# Altium PCB ETH_CAN.PcbDoc (part 2 of 2)
Units mm, origin at the board's own origin, x right, y up, seen from the top; angles counter-clockwise.
Board outline 86 x 80 mm, 2 copper layers (Top Layer, Bottom Layer); 172 components, 128 nets, 655 pads, 126 vias.
Unrouted connection lines stored in the file: 10.
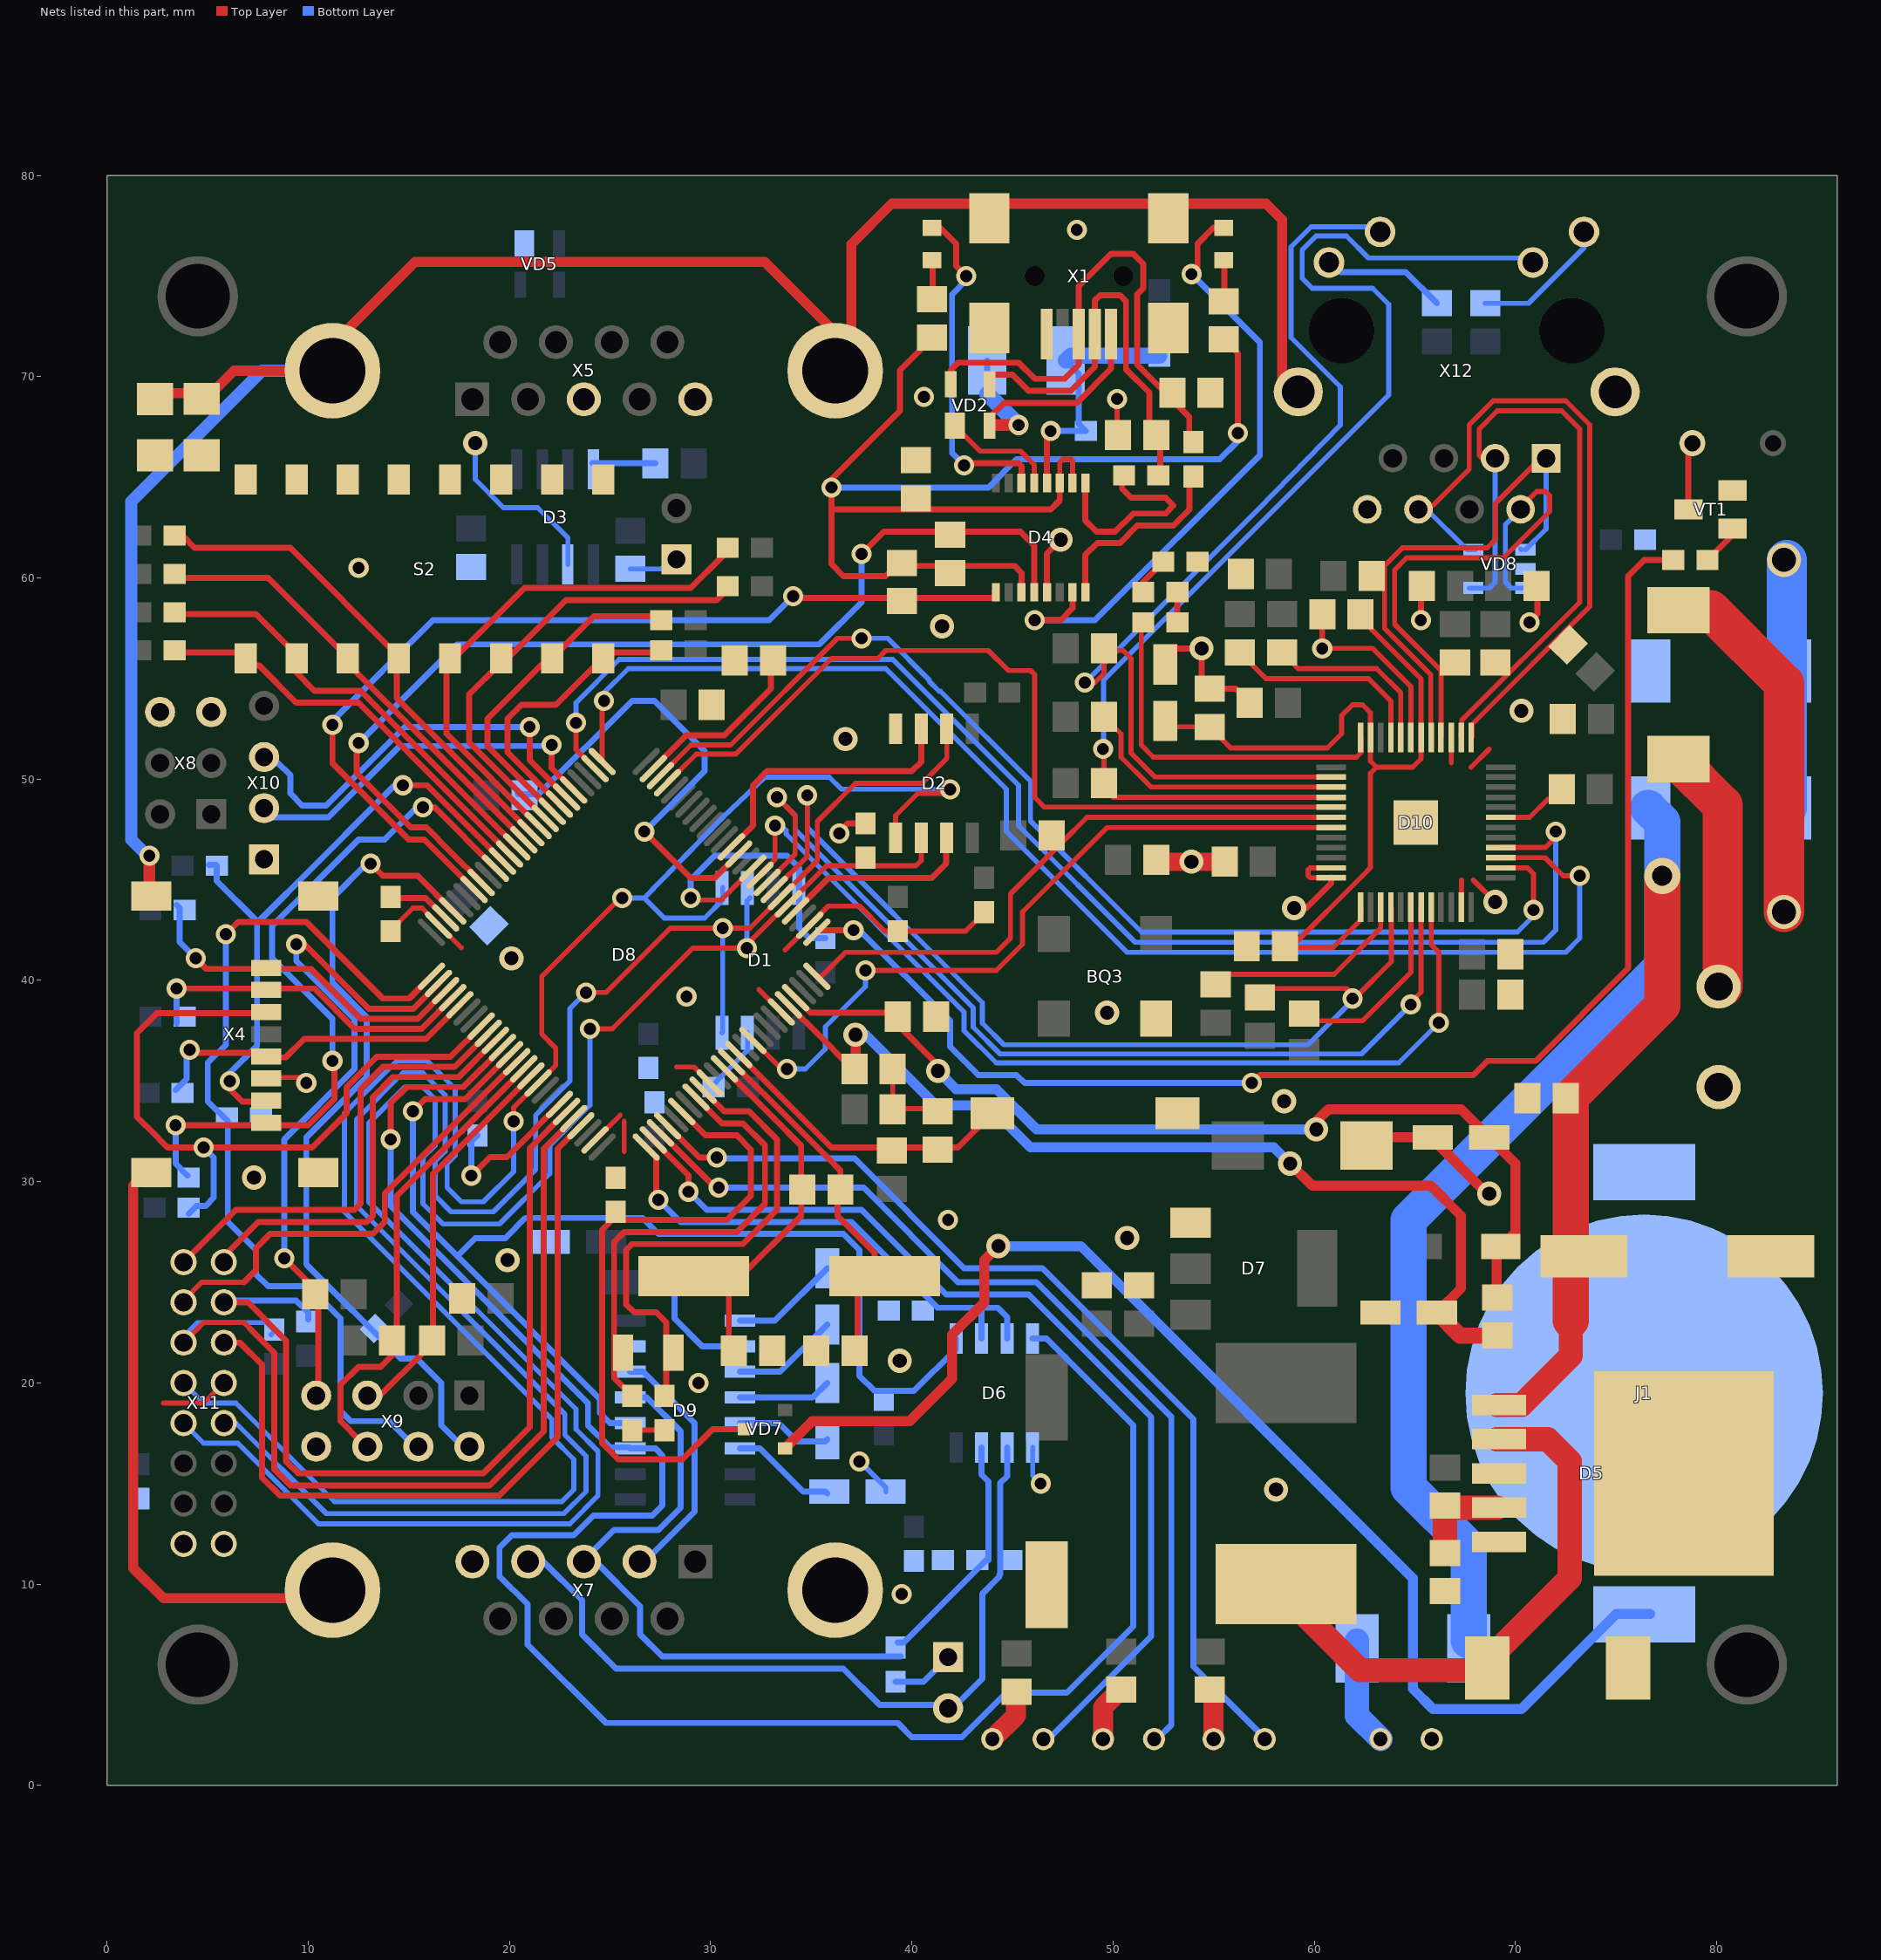
[diagram p2: the nets of this part, all layers, seen from the top]

## Via types
v1: diameter 1, hole 0.6, Top Layer to Bottom Layer, 89 vias
v2: diameter 1.2, hole 0.7, Top Layer to Bottom Layer, 36 vias
v3: diameter 1.8, hole 1, Top Layer to Bottom Layer, 1 vias

## Nets (pads, with @x,y where several pads share a name; then routed paths per layer and width w, separated by ;. In a path a pad name is that pad's centre, name@x,y a point inside that pad or via, vN(x,y) a via of type N, cw(c..) or ccw(c..) an arc to the next point about the centre after c; other vN are vias at no path point) (continued)
GND: BQ3.2 C1.1 C2.1 C3.2 C4.1 C5.1 C6.1 C7.2 C8.1 C9.1 C10.2 C11.2 C12.1 C13.2 C14.1 C15.2 C16.2 C19.2 C21.1 C22.1 C23.2 C24.1 C25.2 C26.2 C27.1 C28.1 C29.1 C30.2 C31.1 C32.1 C33.1 C34.1 C35.1 C36.2 C37.1 C38.2 C39.2 C40.2 C41.2 C42.2 C43.1 C44.1 C45.1 C46.2 C47.2 C48.1 C49.1 C50.2 C51.2 C52.2 C53.1 C54.2 D1.7 D2.4 D3.2 D4.5 D4.13 D5.3 D5.5 D5.6 D6.5 D7.1 D8.10 D8.20 D8.27 D8.74 D8.99 D9.15 D10.15 D10.19 D10.35 D10.36 D10.47 D10.49 HL1.2 J1.3 R5.1 R11.1 R20.2 R25.1 R41.1 R53.2 R68.1 S1.2 S2.9 S2.10 S2.11 S2.12 S2.13 S2.14 S2.15 S2.16 VD1.2 VD2.1 VD5.1 VD6.1 VD8.2 VT1.E X1.5 X2.2 X4.6 X5.3 X5.5 X7.5 X8.5 X8.6 X9.8 X10.1 X11.8 X11.15 X11.16 X12.8 | length 104.1
  Top Layer w0.25: 2.8,19 4.8,19 X11.8@5.8,20 ; X4.6@8.2,35.175 9.825,35.175 9.9,35.1 v1(9.9,34.9) ; C32.1@13.85,42.35 13.95,42.35 15.2,43.6 15.657,43.6 16.437,42.82 16.437,42.75 D8.74@16.472,42.75 17.6,41.622 ; D8.99@24.25,32.072 24.272,32.072 25.5,33.3 ; 25.7,31.5 25.7,33 ; C15.2@26.1,17.65 C16.2@27.8,17.65 ; 28.3,35.7 29.179,35.7 D8.10@29.978,34.901 ; 32.4,39.55 D8.20@33.514,38.436 ; 33.7,41.522 D8.27@34.928,42.75 34.928,42.785 35.843,43.7 37.4,43.7 38.65,42.45 C22.1@39.3,42.45 42.675,42.45 C3.2@43.625,43.4 ; C29.1@39.05,35.625 39.05,33.625 41.175,33.625 C36.2@41.3,33.5 ; VD2.1@42.182,67.917 42.182,67.518 43.4,66.3 45.4,66.3 46.082,65.618 D4.13@46.082,64.718 ; v1(50.2,68.9) 50.2,67.025 C5.1@50.3,66.925 ; v1(60.4,56.5) 62.9,56.5 64.805,54.595 D10.19@64.805,52.069 ; D10.36@60.842,45.109 60.833,45.1 59.8,45.1 59.7,45.2 59.7,45.5 59.792,45.592 D10.35@60.842,45.592 ; 66.811,50.811 D10.15@66.811,52.069 ; D10.47@67.319,43.636 67.319,44.981 ; 67.8,50.6 68.7,51.5 ; 67.9,45 v2(69,43.9)
  Top Layer w0.3: v1(36.4,47.3) 36.4,47.4 36.8,47.8 R5.1@37.7,47.8 ; D4.5@46.69,59.31 D4.5@46.717,59.282 46.717,61.217 v2(47.4,61.9) ; 53.2,56.5 v2(54.4,56.5) 54.4,54.9 C47.2@54.8,54.5 56.1,54.5 C41.2@56.8,53.8 ; v2(59,43.6) 59.6,43.6 60.842,44.842 D10.36@60.842,45.109 ; v1(60.4,56.5) C52.2@60.4,58.2 ; C48.1@65.2,59.7 65.3,59.6 v1(65.3,57.9) ; v1(70.7,57.8) 71.1,58.2 C51.2@71.1,59.7
  Top Layer w0.5: C19.2@62.6,31.8 63,32.2 C26.2@65.9,32.2 65.9,32.1 v2@68.65,29.35
  Top Layer w0.9: C45.1@52.15,45.9 v2(53.9,45.9) C42.2@55.45,45.9
  Bottom Layer w0.25: v2(18.3,66.7) 18.3,64.9 19.7,63.5 21.4,63.5 22.9,62 D3.2@22.9,60.676 ; C2.1@30.25,34.9 30.25,34.95 31.83,36.53 D1.7@31.83,37.4 ; v1(37.4,16.1) 38.7,14.8 C31.1@38.7,14.6 ; D6.5@46.005,16.788 46.005,15.395 v1(46.4,15)
  other v1: 39.5,9.5 29.4,20 41.8,28.1 28.8,39.2 12.5,60.5 40.6,69 48.2,77.3
  other v2: 58.1,14.7 39.4,21.1 19.9,26.1 50.7,27.2 68.7,29.4 7.3,30.2 58.5,34 49.7,38.4 20.1,41.1 36.7,52 70.3,53.4 41.5,57.6
I2C1_SCL: D8.95 R67.1 X11.4 | length 44.7
  Top Layer w0.3: X11.4@5.8,24 7,24 8.9,22.1 8.9,16.1 9.5,15.5 18.7,15.5 21,17.8 21,31.65 D8.95@22.836,33.486
  Bottom Layer w0.3: X11.4@5.7,23.8 6,24.1 9.4,24.1 10,23.5 R67.1@10,23.15
I2C1_SDA: D8.96 R60.1 X11.5 | length 47.9
  Top Layer w0.25: X11.5@3.8,22 4.8,23 6.8,23 7.1,22.7
  Top Layer w0.3: 7.1,22.7 8.3,21.5 8.3,15.7 9.1,14.9 19.007,14.9 21.7,17.593 21.7,31.643 D8.96@23.19,33.133
  Bottom Layer w0.25: X11.5@3.8,22 3.8,22.3 4.5,23 7.95,23 R60.1@8.3,22.65 ; R60.1@8.15,22.4 R60.1@8.4,22.65
JDTI: D8.77 R37.1 X9.7 | length 34.9
  Top Layer w0.3: v1(8.8,26.2) 10.188,24.812 10.188,24.213 10.2,24.2 R37.1@10.4,24 ; v1(9.4,41.8) 9.8,41.8 13,38.6 15.222,38.6 D8.77@16.472,39.85 ; X9.7@9.876,19.724 X9.7@10.3,19.724 ; X9.7@10.3,19.34 X9.7@10.3,19.724 ; 10.5,23.6 10.5,19.724 X9.7@10.3,19.724
  Bottom Layer w0.3: v1(8.8,26.2) 8.8,32.1 12.3,35.6 12.3,38.079 9.4,40.979 v1(9.4,41.8)
LED1: D8.3 HL6.2 | length 47.7
  Top Layer w0.3: D8.3@27.503,32.426 30.229,29.7 v1(30.4,29.7)
  Bottom Layer w0.3: v1(30.4,29.7) 37.6,29.7 42.3,25 46.2,25 52.9,18.3 52.9,3 52.27,2.37 HL6.2@51.97,2.37
LED2: D8.2 HL5.2 | length 49.5
  Top Layer w0.3: D8.2@27.15,32.072 28.9,30.322 v1(28.9,29.5)
  Bottom Layer w0.3: v1(28.9,29.5) 29.8,28.6 37.5,28.6 41.7,24.4 45.8,24.4 51.9,18.3 51.9,7.4 HL5.2@46.5,2
LED3: D8.4 HL4.2 | length 50.1
  Top Layer w0.3: D8.4@27.857,32.779 29.436,31.2 v1(30.3,31.2)
  Bottom Layer w0.3: v1@30.3,31 v1@30.4,31.1 ; v1(30.3,31.2) 30.5,31.2 v1@30.4,31.1 ; HL4.2@57.3,2 57.3,2.6 54,5.9 54,18.2 46.5,25.7 42.6,25.7 37.15,31.15 30.45,31.15 v1@30.4,31.1
MISO: D1.8 D2.2 D8.31 X11.10 | length 100.8
  Top Layer w0.25: v1(23.8,39.4) 24.8,39.4 28,42.6 v1(30.6,42.6) 31.95,42.6 D8.31@33.514,44.164 35.3,45.95 35.3,47.9 37.2,49.8 40.5,49.8 41.735,51.035 D2.2@41.735,52.162
  Bottom Layer w0.25: X11.10@5.8,18 6.4,18 10.9,13.5 22.7,13.5 23.8,14.6 23.8,16.364 22.75,17.414 22.75,18.45 12.4,28.8 12.4,33.1 14.7,35.4 15.7,35.4 16.8,34.3 16.8,31.5 16.3,31 16.3,29.3 17.1,28.5 19.2,28.5 21.3,30.6 21.3,33.3 23,35 23,38.6 v1(23.8,39.4) ; D1.8@30.56,37.4 30.6,37.44 v1(30.6,42.6)
MOSI: D1.1 D2.5 D8.91 X11.7 | length 106.9
  Top Layer w0.25: v1(20.2,33) 20.2,33.679 22.3,35.779 22.3,36.634 21.6,37.334 21.6,40.2 25.5,44.1 v1(25.6,44.1) ; D2.5@39.195,47.438 39.195,48.195 40.3,49.3 41.7,49.3 v1(41.9,49.5)
  Bottom Layer w0.25: X11.7@3.8,20 4.8,19 6.4,19 11.3,14.1 22.6,14.1 23.2,14.7 23.2,16.2 22.1,17.3 22.1,18.2 11.8,28.5 11.8,33.4 14.4,36 15.9,36 17.3,34.6 17.3,31.3 16.9,30.9 16.9,29.7 17.6,29 18.7,29 20.2,30.5 v1(20.2,33) ; v1(25.6,44.1) 26.695,44.1 ; D1.1@30.595,44.612 30.595,43.995 29.7,43.1 27.695,43.1 26.695,44.1 ; 30.695,48.2 30.595,48.097 ; v1(41.9,49.5) 36.5,49.5 35.9,50.1 32.703,50.1 30.595,48.097 ; 26.695,44.1 30.595,48.097
NetBQ1_1: BQ1.1 C16.1 D8.9 | length 25.3
  Top Layer w0.3: C16.1@27.95,19.35 27.8,19.5 27.8,23 27.3,23.5 26.2,23.5 25.8,23.9 25.8,26.6 26.1,26.9 31.6,26.9 33.3,28.6 33.3,32.1 31.9,33.5 30.672,33.5 D8.9@29.624,34.547
NetBQ1_2: BQ1.2 C15.1 D8.8 | length 23.6
  Top Layer w0.3: C15.1@26.1,19.35 25.2,20.25 25.2,27 25.7,27.5 31.3,27.5 32.7,28.9 32.7,31.8 31.6,32.9 30.564,32.9 D8.8@29.271,34.194
NetBQ2_1: BQ2.1 C38.1 D8.13 R30.1 | length 17.1
  Top Layer w0.3: D8.13@31.039,35.961 31.223,35.777 31.569,35.431 33.615,33.385 34.485,32.515 35.85,31.15 36.45,30.55 R30.1@36.45,29.825 ; R30.1@36.3,29.157 36.3,28.3 38.15,26.45 BQ2.1@38.15,25.55 ; C38.1@37.3,21.8 37.3,24.7 BQ2.1@38.15,25.55 ; BQ2.1@38.3,25.4 BQ2.1@38.15,25.55
NetBQ2_2: BQ2.2 C37.2 D8.12 R30.2 | length 20.3
  Top Layer w0.3: BQ2.2@29.15,25.3 BQ2.2@30.9,25.3 ; BQ2.2@30.9,25.5 BQ2.2@30.9,25.3 ; C37.2@31.15,21.55 30.9,21.8 BQ2.2@30.9,25.3 ; D8.12@31.215,35.077 D8.12@30.685,35.608 33.115,33.178 34.5,31.793 34.5,28.3 31.5,25.3 BQ2.2@30.9,25.3
NetC6_2: C6.2 C7.1 D5.1 R8.1 VD3.2 | length 78.5
  Top Layer w1.2: D5.1@69.09,18.9 70.3,18.9 72.75,21.35 72.75,23.1
  Top Layer w1.8: 72.75,23.1 72.75,34.2 77.3,38.75 v3(77.3,45.2)
  Bottom Layer w1.8: R8.1@67.675,7.2 67.675,11.825 64.7,14.8 64.7,28.1 77.3,40.7 v3(77.3,45.2) 77.3,47.875 VD3.2@76.6,48.575
NetC17_1: C17.1 D9.1 | length 5.4
  Bottom Layer w0.3: D9.1@31.461,23.09 33.19,23.09 C17.1@35.8,25.7
NetC17_2: C17.2 D9.3 | length 5.3
  Bottom Layer w0.3: D9.3@31.461,20.55 33.45,20.55 C17.2@35.8,22.9
NetC18_1: C18.1 D9.4 | length 4.6
  Bottom Layer w0.3: D9.4@31.461,19.28 35.08,19.28 C18.1@35.8,20
NetC18_2: C18.2 D9.5 | length 4.8
  Bottom Layer w0.3: D9.5@31.461,18.01 33.39,18.01 34.3,17.1 35.7,17.1 C18.2@35.8,17.2
NetC20_1: C20.1 D9.2 | length 6
  Bottom Layer w0.3: C20.1@28.2,25.4 28.2,23.2 29.58,21.82 D9.2@31.461,21.82
NetC25_1: C25.1 C29.2 D8.21 R27.2 | length 48.3
  Top Layer w0.3: D8.21@33.867,38.79 35.457,37.2 C29.2@36.728,35.928
  Top Layer w0.5: C29.2@37.2,35.6 v2(37.2,37.3) ; v2(58.8,30.9) 59.9,29.8 65.8,29.8 67.3,28.3 67.3,24.7 C25.1@66.1,23.5
  Top Layer w0.8: C25.1@66.1,23.5 67.25,22.35 R27.2@69.075,22.35
  Bottom Layer w0.5: v2(37.2,37.3) 37.7,37.3 41.2,33.8 43.8,33.8 45.9,31.7 58,31.7 v2(58.8,30.9)
NetC26_1: C26.1 C30.1 D8.22 L2.2 R27.1 | length 47
  Top Layer w0.3: D8.22@34.221,39.143 34.964,38.4 C30.1@38.7,38.4 ; C30.1@39.3,38.2 39.3,37.8 41.3,35.8 v2(41.3,35.5)
  Top Layer w0.5: v2(60.1,32.6) 60.1,33 60.7,33.6 67.3,33.6 C26.1@68.7,32.2 70,30.9 70,27.475 69.075,26.55 R27.1@69.075,24.25
  Bottom Layer w0.5: v2(41.3,35.5) 42.2,34.6 44.2,34.6 46.2,32.6 v2(60.1,32.6)
NetC31_2: C31.2 D9.6 | length 5.3
  Bottom Layer w0.3: D9.6@31.461,16.74 32.46,16.74 34.6,14.6 35.7,14.6 C31.2@35.8,14.5
NetC32_2: C32.2 D8.73 | length 3.3
  Top Layer w0.3: C32.2@14.05,43.85 14.3,44.1 15.829,44.1 D8.73@16.826,43.103
NetC34_2: C34.2 D8.49 | length 9.3
  Top Layer w0.3: D8.49@27.15,50.528 28.797,52.175 30.675,52.175 33,54.5 C34.2@33,56.3
NetC35_2: C35.2 D8.6 VD7.3 | length 33.3
  Top Layer w0.3: D8.6@28.564,33.486 29.75,32.3 31.3,32.3 32,31.6 32,29.3 30.8,28.1 25.1,28.1 24.6,27.6 24.6,17 25.4,16.2 28.6,16.2 30.1,17.7 VD7.3@31.7,17.7
NetC46_1: C46.1 C47.1 C52.1 C54.1 D10.18 D10.23 D10.37 | length 41.9
  Top Layer w0.25: C54.1@52.6,52.9 52.9,52.6 54.8,52.6 55.85,51.55 60.65,51.55 61.363,52.263 61.363,53.163 61.9,53.7 62.4,53.7 62.798,53.302 D10.23@62.798,52.069 62.798,50.9 63.098,50.6 ; C46.1@58.55,41.65 60.95,41.65 62.315,43.015 D10.37@62.315,43.636 ; C46.1@58.55,41.7 58.9,41.7 62.4,45.2 62.798,45.598 62.798,50.3 63.098,50.6 ; C52.1@62.3,58.2 62.3,58 65.313,54.987 D10.18@65.313,52.069 65.313,51.013 64.9,50.6 63.098,50.6
NetD1_4: D1.4 D8.35 R2.1 | length 15.3
  Top Layer w0.25: v1(29,44.1) 29.1,44 30.521,44 D8.35@32.099,45.578
  Bottom Layer w0.3: v1(29,44.1) 29,45 30.2,46.2 33.8,46.2 34.405,45.595 34.405,42.595 34.9,42.1 R2.1@35.7,42.1
NetD2_7: D2.7 D8.29 | length 10.1
  Top Layer w0.3: D8.29@34.221,43.457 35.864,45.1 41,45.1 41.7,45.8 41.7,47.403 D2.7@41.735,47.438
NetD3_8: D3.8 R3.1 | length 3.1
  Bottom Layer w0.3: D3.8@24.12,65.7 R3.1@27.25,65.7
NetD4_7: D4.7 HL3.2 | length 31.2
  Top Layer w0.3: v1(46.1,57.9) 47.4,57.9 48,58.5 47.987,58.513 D4.7@47.987,59.282 ; v1(53.9,75.1) 54.2,75.4 54.2,76.6 55,77.4 HL3.2@55.5,77.4
  Bottom Layer w0.3: v1(46.1,57.9) 49.1,57.9 57.3,66.1 57.3,71.7 v1(53.9,75.1)
NetD4_14: D4.14 HL2.2 | length 17.1
  Top Layer w0.3: HL2.2@41,77.4 41.4,77.4 42.2,76.6 42.2,75.5 v1(42.7,75) ; v1(42.6,65.6) 42.7,65.7 45.3,65.7 45.447,65.553 D4.14@45.447,64.718
  Bottom Layer w0.3: v1(42.6,65.6) 42,66.2 42,74.1 42.7,74.8 v1(42.7,75)
NetD5_2: D5.2 L1.1 VD6.2 | length 28.7
  Top Layer w1.2: L1.1@58.5,10.7 58.5,9.5 62.275,5.725 68.125,5.725 72.7,10.3 72.7,16.1 71.6,17.2 D5.2@69.09,17.2
NetD5_4: D5.4 R25.2 R26.1 | length 4.7
  Top Layer w1: R26.1@66.5,13.9 R26.1@66.6,13.8
  Top Layer w1.2: R25.2@66.5,11.8 R26.1@66.5,13.9 ; R26.1@66.6,13.8 D5.4@69.09,13.8
NetD6_2: D6.2 D6.3 D8.1 R11.2 | length 24.9
  Top Layer w0.3: D8.1@26.796,31.719 27.3,31.215 v1@27.3,29.4
  Bottom Layer w0.3: v1(27.4,29.1) 28.5,28 37,28 41.265,23.735 43.465,23.735 ; D6.2@43.465,22.212 43.465,23.735 ; D6.3@44.735,22.212 44.735,23.265 44.265,23.735 43.465,23.735
NetD8_16: D8.16 D10.31 | length 36.6
  Top Layer w0.25: D8.16@32.099,37.022 33.721,35.4 33.8,35.479 v1(33.8,35.6) ; v1(37.7,40.5) 44.2,40.5 45.5,41.8 45.5,43.4 49.699,47.599 D10.31@60.842,47.599
  Bottom Layer w0.25: v1(33.8,35.6) 34.7,35.6 35.7,36.6 35.7,37.7 37.7,39.7 v1(37.7,40.5)
NetD8_25: D8.25 D10.30 R45.1 | length 29.7
  Top Layer w0.25: D8.25@35.281,40.204 35.504,40.204 36.7,41.4 44.2,41.4 44.9,42.1 44.9,44.3 R45.1@47.2,46.6 ; R45.1@47.5,46.9 48.707,48.107 D10.30@60.842,48.107
NetD8_26: D8.26 R39.1 | length 68.6
  Top Layer w0.3: D8.26@35.4,42.5 v1(37.1,42.5) ; v1(56.9,34.9) 57.3,35.3 67.9,35.3 68.6,36 71,36 75.6,40.6 75.6,60.1 76.4,60.9 R39.1@77.85,60.9
  Bottom Layer w0.3: v1(37.1,42.5) 37.4,42.5 41.9,38 41.9,36.7 43.3,35.3 45.2,35.3 45.6,34.9 v1(56.9,34.9)
NetD8_32: D8.32 D10.40 R49.1 | length 52.2
  Top Layer w0.25: D8.32@33.195,44.517 D8.32@33.16,44.517 34.8,46.157 v1(34.8,49.2) ; R49.1@57.2,39 57.8,39.6 61.625,39.6 v1@61.9,39.325 ; v1(61.9,39.1) v1@61.9,39.275 ; D10.40@63.814,43.636 63.832,43.618 63.832,40.932 v1@62.2,39.3 ; v1@61.9,39.275 v1@61.9,39.325 ; v1@61.9,39.275 v1@61.925,39.3 ; v1@61.9,39.325 v1@61.925,39.3 ; v1@61.925,39.3 62.062,39.162 v1@62.2,39.3 ; v1@61.925,39.3 v1@62.2,39.3
  Bottom Layer w0.25: v1(34.8,49.2) 34.8,47.6 43.5,38.9 43.5,37.873 44.573,36.8 59.7,36.8 62.175,39.275 v1@62.125,39.325 ; v1(61.9,39.1) v1@62.125,39.325 ; v1@62.125,39.325 62.012,39.437 v1@62.125,39.325
NetD8_33: D8.33 D10.43 | length 49.3
  Top Layer w0.25: D8.33@32.806,44.871 34.2,46.264 34.2,48.2 v1(33.3,49.1) ; v1(64.8,38.8) 64.8,38.9 65.313,39.412 D10.43@65.313,43.636
  Bottom Layer w0.25: v1(33.3,49.1) 34.2,48.2 34.2,47.5 43.05,38.65 43.05,37.686 44.386,36.35 62.35,36.35 v1(64.8,38.8) v1@65,39
NetD8_34: D8.34 D10.44 | length 48.6
  Top Layer w0.25: D8.34@32.453,45.224 D8.34@32.488,45.224 ; D8.34@32.488,45.295 33.197,46.003 33.2,46 v1(33.2,47.7) ; D10.44@65.821,43.636 65.821,41.779 66.2,41.4 v1(66.2,37.9)
  Bottom Layer w0.25: v1@33.4,47.8 33.2,48 v1(33.2,47.7) 33.5,47.7 33.75,47.45 33.75,47.277 42.6,38.427 42.6,37.5 44.2,35.9 64.2,35.9 v1(66.2,37.9)
NetD8_37: D8.37 R28.1 | length 23.6
  Top Layer w0.3: v1(26.7,47.4) 29,45.1 30.207,45.1 D8.37@31.392,46.285
  Bottom Layer w0.3: R28.1@20.425,49.25 21.45,49.25 26.1,53.9 27.2,53.9 29.7,51.4 29.7,50.4 v1(26.7,47.4)
NetD8_47: D8.47 D10.29 | length 42.5
  Top Layer w0.25: D8.47@27.857,49.821 D8.47@27.892,49.821 ; D8.47@27.892,49.891 28.377,50.376 28.412,50.376 29.286,51.25 31.25,51.25 36,56 38.3,56 38.7,56.4 43.8,56.4 44.8,55.4 45.9,55.4 46.1,55.2 46.1,49.1 46.585,48.615 D10.29@60.842,48.615
NetD8_48: D8.48 D10.2 | length 57.9
  Top Layer w0.25: D8.48@27.503,50.174 29.029,51.7 31,51.7 36.3,57 v1(37.5,57) ; D10.2@69.275,45.592 70.608,45.592 70.9,45.3 v1(70.9,43.5)
  Bottom Layer w0.25: v1(37.5,57) 38.8,57 40.875,54.925 40.875,54.858 41.358,54.375 41.425,54.375 45.9,49.9 45.9,47.92 51.42,42.4 70.1,42.4 71.1,43.4 71,43.5 v1(70.9,43.5)
NetD8_51: D8.51 D10.3 | length 67.2
  Top Layer w0.25: D8.51@24.6,50.9 D8.51@24.604,50.904 ; D8.51@24.604,50.881 D8.51@24.604,50.904 ; v1(24.7,53.9) 24.604,53.804 D8.51@24.604,50.904 ; D10.3@69.275,46.1 71.475,46.1 72.375,45.2 v1(73.2,45.2)
  Bottom Layer w0.25: v1(24.7,53.9) 24.7,54.3 25.9,55.5 38.7,55.5 44.7,49.5 44.7,47.4 50.7,41.4 72.5,41.4 73.2,42.1 v1(73.2,45.2)
NetD8_52: D8.52 D10.4 | length 69
  Top Layer w0.25: v1(23.3,52.8) 23.3,51.478 D8.52@24.25,50.528 ; D10.4@69.275,46.608 71.5,46.608 72.292,47.4 v1(72,47.4)
  Bottom Layer w0.25: v1(23.3,52.8) 23.3,53.8 25.45,55.95 39.05,55.95 45.3,49.7 45.3,47.7 51.1,41.9 71.4,41.9 72,42.5 v1(72,47.4)
NetD8_94: D8.94 R29.1 | length 8
  Top Layer w0.3: v1(18.1,30.3) 19.029,31.229 19.871,31.229 D8.94@22.483,33.84
  Bottom Layer w0.3: v1(18.1,30.3) 18.1,32 R29.1@18.4,32.3
NetD10_7: D10.7 R35.1 | length 3.6
  Top Layer w0.25: D10.7@69.275,48.107 70.707,48.107 71.6,49 72.05,49 R35.1@72.05,49.5
NetD10_20: D10.20 R43.1 | length 9
  Top Layer w0.25: R43.1@58.4,56.3 58.412,56.288 59.2,55.5 63.1,55.5 64.297,54.303 D10.20@64.297,52.069
NetD10_21: D10.21 R42.1 | length 10.3
  Top Layer w0.25: R42.1@56.3,56.3 57.6,55 62.7,55 63.814,53.886 D10.21@63.814,52.069
NetD10_24: D10.24 R44.1 | length 17.7
  Top Layer w0.25: R44.1@51.4,57.4 51.4,51.7 52,51.1 62.1,51.1 62.315,51.315 D10.24@62.315,52.069
NetD10_26: D10.26 R48.1 X12.11 | length 52
  Top Layer w0.25: v1(48.6,54.8) 49.1,54.8 49.55,55.25 R48.1@49.55,56.4 ; R48.1@49.55,56.6 R48.1@49.55,56.4 ; D10.26@60.842,50.113 52.087,50.113 50.9,51.3 50.9,56 50.5,56.4 R48.1@49.55,56.4
  Bottom Layer w0.25: v1(48.6,54.8) 48.8,55 57.2,63.4 61.3,67.6 61.3,69.5 58.85,71.95 58.85,76.45 59.85,77.45 63.027,77.45 X12.11@63.275,77.202
NetD10_27: D10.27 R52.1 | length 13.6
  Top Layer w0.25: R52.1@49.4,52.95 R52.1@49.55,53.1 50.4,52.25 50.4,51.1 51.887,49.613 D10.27@60.842,49.613
NetD10_28: D10.28 R50.1 X12.10 | length 59.9
  Top Layer w0.25: R50.1@49.425,49.675 50.003,49.097 D10.28@60.842,49.097 ; v1(49.5,51.5) 49.55,51.45 R50.1@49.55,49.8
  Bottom Layer w0.25: v1(49.5,51.5) 49.525,51.525 49.525,54.925 58.382,63.782 63.7,69.1 63.7,73.6 62.9,74.4 59.9,74.4 59.4,74.9 59.4,76.3 60.1,77 61.6,77 62.7,75.9 70.648,75.9 X12.10@70.87,75.678
NetD10_39: D10.39 R46.1 | length 10.4
  Top Layer w0.25: R46.1@55.1,39.8 55.6,40.3 61,40.3 63.306,42.606 D10.39@63.306,43.636
NetD10_42: D10.42 R47.1 | length 9.5
  Top Layer w0.25: R47.1@59.5,38 62.4,38 64.805,40.405 D10.42@64.805,43.636
NetF1_2: F1.2 R4.1 | length 18.2
  Top Layer w2: F1.2@78,58.4 F1.2@78.1,58.4 79.7,58.4 83.35,54.75 R4.1@83.35,43.4
NetF2_1: F2.1 VD2.2 X1.1 | length 14.7
  Top Layer w0.3: VD2.2@43.86,67.975 44.585,68.7 48.2,68.7 49.9,70.4 X1.1@49.9,72.12 X1.1@49.9,72.82
  Top Layer w0.6: VD2.2@43.9,67.6 v1(45.3,67.6)
  Bottom Layer w0.3: F2.1@43.75,69.15 F2.1@43.75,70.8
  Bottom Layer w0.8: F2.1@43.75,69.15 v1(45.3,67.6)
NetG1_2: G1.2 VT1.C | length 3
  Top Layer w0.3: VT1.C@78.6,63.4 78.6,66.1 G1.2@78.8,66.3
NetHL1_1: HL1.1 R8.2 | length 5.4
  Bottom Layer w1.2: R8.2@62.125,7.2 R8.2@62.125,6.8 62.125,3.475 HL1.1@63.3,2.3
NetHL2_1: HL2.1 R23.2 | length 2
  Top Layer w0.3: HL2.1@41,75.8 41.025,75.775 R23.2@41.025,73.85
NetHL3_1: HL3.1 R24.2 | length 2.1
  Top Layer w0.3: HL3.1@55.4,75.8 55.525,75.675 R24.2@55.525,73.75
NetHL4_1: HL4.1 R32.2 | length 2.6
  Top Layer w1: R32.2@54.775,4.75 55,4.525 HL4.1@55,2.3 HL4.1@55,2.24
NetHL5_1: HL5.1 R33.2 | length 2.8
  Top Layer w1: HL5.1@44,2.3 45.175,3.475 R33.2@45.175,4.65
NetHL6_1: HL6.1 R34.2 | length 2.8
  Top Layer w1: HL6.1@49.5,2.3 49.5,3.875 R34.2@50.375,4.75
NetJ1_1: J1.1 J1.2 VD7.1 | length 64.4
  Top Layer w0.5: VD7.1@33.7,16.75 35.05,18.1 39.9,18.1 42,20.2 42,22.4 43.6,24 43.6,26.1 v2(44.3,26.8)
  Bottom Layer w0.5: v2(44.3,26.8) 48.4,26.8 64.9,10.3 64.9,4.8 65.9,3.8 70.3,3.8 75.015,8.515 J1.2@76.7,8.515
NetR4_2: R4.2 VD1.1 VD3.1 | length 12.3
  Bottom Layer w2: VD3.1@83.5,48.575 R4.2@83.5,60.9
NetR9_2: R9.2 X3.1 | length 2.5
  Bottom Layer w0.25: R9.2@26,60.45 27.55,60.45 X3.1@28.2,61.1
NetR21_1: R21.1 X6.1 | length 3.4
  Bottom Layer w0.3: R21.1@39.2,5.15 40.58,5.15 X6.1@41.8,6.37 X6.1@42,6.57
NetR39_2: R39.2 VT1.B | length 2.1
  Top Layer w0.3: R39.2@79.55,60.9 80.8,62.15 VT1.B@80.8,62.45
NetR44_2: R44.2 R51.1 | length 1.5
  Top Layer w0.3: R44.2@53.2,57.8 R51.1@53.2,59.3
NetR51_2: R51.2 R53.1 | length 1.9
  Top Layer w0.3: R51.2@51.5,59.3 51.5,59.8 R53.1@52.5,60.8
NetR69_1: R69.1 X12.9 | length 7
  Bottom Layer w0.25: R69.1@68.5,73.65 70.65,73.65 73.425,76.425 X12.9@73.425,77.302
NetR70_1: R70.1 X12.12 | length 6.2
  Bottom Layer w0.3: X12.12@60.75,75.778 61.328,75.2 64.55,75.2 R70.1@66.1,73.65
NJRST: D8.90 R36.1 X9.5 | length 19
  Top Layer w0.3: X9.5@12.86,19.34 13.54,19.34 R36.1@15.7,21.5 ; R36.1@16.2,22 16.2,30.386 D8.90@21.068,35.254
NRST: C36.1 D8.14 R31.1 S1.1 | length 14.9
  Top Layer w0.3: D8.14@31.392,36.315 32.069,35.638 34.115,33.592 34.692,33.015 36.007,31.7 R31.1@38.975,31.7 ; R31.1@39.2,31.7 C36.1@41.05,31.7 ; C36.1@41.3,31.95 41.55,31.7 42.3,31.7 S1.1@44,33.4
nW: D2.3 D8.38 | length 13.6
  Top Layer w0.3: D8.38@31.039,46.639 32.1,47.7 32.1,49.693 32.807,50.4 40,50.4 40.465,50.865 D2.3@40.465,52.162
PD3: D8.84 X11.1 | length 23.2
  Top Layer w0.3: X11.1@3.8,26 6.4,28.6 12.3,28.6 12.6,28.9 12.6,34.6 13.7,35.7 17.272,35.7 D8.84@18.947,37.376
PD4: D8.85 X11.2 | length 21.3
  Top Layer w0.3: X11.2@5.85,26.35 7.5,28 12.9,28 13.2,28.3 13.2,34.2 14.2,35.2 17.479,35.2 D8.85@19.301,37.022
PD7: D8.88 X11.3 | length 23
  Top Layer w0.25: X11.3@3.8,24 3.8,24.1 4.7,25 6.8,25
  Top Layer w0.3: 6.8,25 7.4,25.6 7.4,26.7 8.1,27.4 13.2,27.4 13.8,28 13.8,29.4 D8.88@20.361,35.961
PE0: D8.97 X11.6 | length 40.2
  Top Layer w0.3: X11.6@5.8,22 6.6,22 7.7,20.9 7.7,15.3 8.6,14.4 19.5,14.4 22.4,17.3 22.4,31.636 D8.97@23.543,32.779
RD_N: D10.13 R65.1 VD8.5 X12.6 | length 33.9
  Top Layer w0.25: X12.6@65.395,63.61 65.91,63.61 67.7,65.4 67.7,67.608 68.896,68.804 72.509,68.804 73.7,67.613 73.7,58.587 67.841,52.728 67.841,52.108 D10.13@67.802,52.069
  Bottom Layer w0.25: X12.6@65.18,63.41 65.59,63.41 67.6,61.4 VD8.5@67.9,61.4 VD8.5@68,61.4
RD_P: D10.14 R63.1 VD8.4 X12.3 | length 33.2
  Top Layer w0.25: D10.14@67.298,52.069 67.298,52.278 67.337,52.317 67.337,52.94 67.527,53.131 67.531,53.131 73.196,58.796 73.196,67.404 72.3,68.3 69.104,68.3 68.204,67.4 68.204,66.096 68.35,65.95 X12.3@68.99,65.95
  Bottom Layer w0.25: VD8.4@67.7,59.5 VD8.4@67.9,59.5 68.7,59.5 68.99,59.79 X12.3@68.99,65.95
RS485_N: D6.6 R22.2 X6.2 X7.4 | length 39.1
  Bottom Layer w0.3: X7.4@20.925,11.12 21.68,11.12 23.6,9.2 23.6,7.5 25.3,5.8 36.6,5.8 38.4,4 42.2,4 43.5,5.3 43.5,9.517 44.354,10.371 44.354,10.454 44.4,10.5 44.4,15.03 44.735,15.365 D6.6@44.735,16.788
RS485_P: D6.7 D9.13 R20.1 R21.2 X7.3 | length 43.3
  Bottom Layer w0.3: X7.3@23.695,11.12 X7.3@24,11.12 ; D9.13@26,19.28 26.82,19.28 28.5,17.6 28.5,13.8 27.4,12.7 25.2,12.7 24,11.5 X7.3@24,11.12 ; R21.2@39.3,7.1 39.6,7.1 41.4,8.9 42.4,9.9 43.475,10.975 43.7,11.2 43.8,11.2 43.8,15.1 43.465,15.435 D6.7@43.465,16.788 ; R21.2@39.45,6.4 27.6,6.4 26.5,7.5 26.5,8.9 24.28,11.12 X7.3@24,11.12
RX2: D6.1 D8.87 D9.12 R10.1 | length 60.7
  Top Layer w0.3: v1(15.2,33.5) 15.8,34.1 17.793,34.1 D8.87@20.008,36.315
  Bottom Layer w0.3: v1(15.2,33.5) 15.2,28.5 17.4,26.3 ; D9.12@26,18.01 25.99,18 25,18 24.5,18.5 24.5,19.2 17.4,26.3 ; D6.1@42.195,22.212 42.195,21.695 40.1,19.6 38.15,19.6 37.4,20.35 37.4,26.6 36.6,27.4 27.4,27.4 26.6,28.2 20.8,28.2 19.8,27.2 18.3,27.2 17.4,26.3
SCK: D1.2 D2.6 D8.30 R5.2 X11.9 | length 95.8
  Top Layer w0.25: v1@24,37.4 v1(24,37.6) 25.1,37.6 29.1,41.6 31.621,41.6 33.832,43.81 D8.30@33.867,43.81 35.757,45.7 40.2,45.7 40.465,45.965 D2.6@40.465,47.088
  Bottom Layer w0.25: X11.9@3.8,18 4.8,17 6.5,17 10.502,12.998 22.998,12.998 24.4,14.4 24.4,16.6 23.3,17.7 23.3,18.7 13,29 13,32.9 14.8,34.7 15.7,34.7 16.3,34.1 16.3,31.8 15.7,31.2 15.7,28.9 16.7,27.9 19.5,27.9 22,30.4 22,31.8 24,33.8 v1(24,37.6) ; v1(31.8,41.6) 31.8,43.947 D1.2@31.965,44.112
SDIO_CLK: D8.80 R18.1 X4.5 | length 17
  Top Layer w0.3: v1(4.1,36.55) 4.25,36.4 8.2,36.4 8.425,36.175 8.875,36.175 9.8,37.1 15.843,37.1 D8.80@17.533,38.79
  Bottom Layer w0.3: R18.1@3.4,34.55 3.95,35.1 3.95,36.55 v1(4.1,36.55)
SDIO_CMD: D8.83 R17.1 X4.3 | length 37.9
  Top Layer w0.3: X4.3@8.2,38.375 2.475,38.375 1.475,37.375 1.475,33.225 1.8,32.9 2.1,32.6 ; D8.83@18.594,37.729 17.064,36.2 13.4,36.2 11.9,34.7 11.9,33.4 10.2,31.7 v1(4.8,31.7) 3,31.7 ; 2.1,32.6 3,31.7 ; 2.1,32.6 3,31.7
  Bottom Layer w0.3: R17.1@4.05,28.4 4.45,28.8 4.9,28.8 5.3,29.2 5.3,31.2 v1(4.8,31.7)
SDIO_D0: D8.65 R12.1 X4.7 | length 33.5
  Top Layer w0.3: v1(6.1,35) 6.1,34.6 6.725,33.975 X4.7@8.2,33.975 ; v1(14.7,49.7) 15.886,49.7 D8.65@19.654,45.932
  Bottom Layer w0.3: R12.1@5.05,45.75 5.4,45.75 R12.1@5.45,45.7 5.45,44.95 7.45,42.95 7.45,42.85 ; v1(6.1,35) 6.1,35.4 7.45,36.75 7.45,42.85 ; 9.3,44.7 14.3,49.7 v1(14.7,49.7) ; 10.454,45.854 7.45,42.85
SDIO_D1: D8.66 R13.1 X4.8 | length 35.9
  Top Layer w0.3: v1(3.4,32.8) 10,32.8 11.3,34.1 11.3,35.9 v1(11.2,36) ; v1(15.7,48.6) 16.279,48.6 D8.66@19.301,45.578
  Bottom Layer w0.3: v1(3.4,32.8) 3.4,30.9 R13.1@4,30.3 ; v1(11.2,36) 11.2,38.1 8.2,41.1 8.2,42.7 12.5,47 13.8,47 15.4,48.6 v1(15.7,48.6)
SDIO_D2: D8.78 R14.1 X4.1 | length 17.3
  Top Layer w0.3: v1(4.4,41.1) 4.925,40.575 10.125,40.575 12.6,38.1 15.429,38.1 D8.78@16.826,39.497
  Bottom Layer w0.3: R14.1@3.45,43.75 3.6,43.6 3.6,41.9 v1(4.4,41.1)
SDIO_D3: D8.79 R15.1 X4.2 | length 16.9
  Top Layer w0.3: v1(3.45,39.6) 10.3,39.6 12.3,37.6 15.636,37.6 D8.79@17.179,39.143
  Bottom Layer w0.3: R15.1@3.45,37.85 v1(3.45,39.6)
SHLD: C53.2 R68.2 X1.6 X1.7 X1.8 X1.9 X4.9 X4.10 X4.11 X4.12 X5.10 X5.11 X7.10 X7.11 X12.S1 X12.S2 | length 141.8
  Top Layer w0.5: X4.11@1.7,30.2 1.3,29.8 1.3,10.8 2.8,9.3 10.8,9.3 X7.11@11.2,9.7 ; C53.2@2.378,69.192 5.192,69.192 6.3,70.3 X5.10@11.2,70.3 ; X5.10@12.01,70.1 12.01,72.41 15.3,75.7 32.7,75.7 X5.11@37,71.4 ; X5.11@36.19,70.3 X5.11@37,71.11 ; X5.11@37.29,71.4 X5.11@37,71.11 ; X12.S1@59.338,69.379 X12.S1@59.211,69.252 59.048,69.252 58.4,69.9 58.4,77.8 57.6,78.6 39,78.6 37,76.6 X5.11@37,71.4 ; X12.S2@74.832,69.379 X12.S2@74.959,69.252 ; X5.11@37,71.11 X5.11@37,71.4
  Top Layer w0.6: v1(2.1,46.2) 2.1,44.65 X4.12@2.5,44.25
  Bottom Layer w0.6: v1(2.1,46.2) 2,46.2 1.2,47 1.2,63.8 7.7,70.3 X5.10@11.2,70.3
SWCLK: D8.76 R41.2 X9.4 | length 45
  Top Layer w0.3: v1(5.9,42.3) 6.5,42.9 9.9,42.9 13.7,39.1 15.015,39.1 D8.76@16.119,40.204
  Bottom Layer w0.3: v1(5.9,42.3) 5.9,36.8 5,35.9 5,34 6,33 6,28 7.4,26.6 7.4,25.4 8,24.8 10,24.8 11.6,23.2 11.6,18.6 12.1,18.1 14,18.1 15.3,16.8 X9.4@15.4,16.8
SWDIO: D8.72 R38.1 X9.2 | length 40.8
  Top Layer w0.3: v1(13.1,45.8) 13.7,45.2 15.436,45.2 D8.72@17.179,43.457
  Bottom Layer w0.3: v1(13.1,45.8) 12.9,45.8 11.2,44.1 11.2,39.886 12.9,38.186 12.9,35.2 9.9,32.2 9.9,25.9 14.6,21.2 15.4,21.2 16.6,20 16.6,17.9 17.7,16.8 X9.2@17.94,16.8
SWITCH1: D8.64 R54.1 S2.1 | length 21
  Top Layer w0.3: R54.1@3.6,56.5 3.8,56.3 6.58,56.3 S2.1@6.88,56 6.9,56 7.04,55.86 6.84,55.66 7.54,55.66 9.4,53.8 12.493,53.8 15.197,51.096 D8.64@20.008,46.285
SWITCH2: D8.63 R55.1 S2.2 | length 21.9
  Top Layer w0.3: R55.1@3.75,58.2 7.4,58.2 9.32,56.28 9.32,55.38 10.3,54.4 12.6,54.4 D8.63@20.361,46.639
SWITCH3: D8.62 R56.1 S2.3 | length 22.9
  Top Layer w0.3: R56.1@3.35,60 8,60 11.86,56.14 11.86,55.847 D8.62@20.715,46.992
SWITCH4: D8.61 R57.1 S2.4 | length 24.7
  Top Layer w0.3: R57.1@3.75,62.1 4.35,61.5 9.1,61.5 14.4,56.2 14.4,54.014 D8.61@21.068,47.346
SWITCH5: D8.60 R59.1 S2.5 | length 25.8
  Top Layer w0.3: D8.60@21.422,47.699 16.861,52.261 16.861,55.621 20.74,59.5 29,59.5 R59.1@30.6,61.1
SWITCH6: D8.59 R62.1 S2.6 | length 22.7
  Top Layer w0.3: D8.59@21.776,48.053 18,51.828 18,54.22 19.48,55.7 19.6,55.7 22.8,58.9 30.3,58.9 30.6,59.2 R62.1@30.6,59.5
SWITCH7: D8.58 R64.1 S2.7 | length 16.6
  Top Layer w0.3: D8.58@22.129,48.406 18.9,51.636 18.9,53 21.6,55.7 22.02,55.7 22.02,55.92 24.2,58.1 R64.1@27.35,58.1
SWITCH8: D8.57 R66.1 S2.8 | length 14.3
  Top Layer w0.3: D8.57@22.483,48.76 19.9,51.343 19.9,53 20.6,53.7 22.3,53.7 24.9,56.3 27.05,56.3 R66.1@27.35,56.6
SWO: D8.89 R40.1 X9.6 | length 23.3
  Top Layer w0.3: X9.6@12.58,17.12 11.6,18.1 11.6,19.9 12.5,20.8 13.6,20.8 14.4,21.6 14.4,29.293 D8.89@20.715,35.608
TD_N: D10.16 R61.1 VD8.3 X12.2 | length 26.1
  Top Layer w0.25: D10.16@66.303,52.069 66.303,55.397 64,57.7 64,60.4 64.596,60.996 68.809,60.996 68.813,61 69.4,61 70.7,62.3 71.7,63.3 71.7,64.1 71.5,64.3 71.065,64.3 X12.2@70.275,63.51 ; X12.2@70.475,63.61 X12.2@70.71,63.61
  Bottom Layer w0.25: X12.2@70.26,63.41 69.5,62.65 69.5,59.8 69.8,59.5 VD8.3@70.5,59.5
TD_P: D10.17 R58.1 VD8.1@70.5,61.4 X12.1 | length 26.1
  Top Layer w0.25: D10.17@65.799,52.069 65.799,55.188 63.496,57.491 63.496,60.609 64.387,61.5 68.6,61.5 69,61.9 69,63.7 69.239,63.939 69.846,64.546 71.45,66.15 X12.1@71.745,66.15
  Bottom Layer w0.25: VD8.1@70.26,61.44 VD8.1@70.3,61.4 ; VD8.1@70.5,61.4 71.53,62.43 X12.1@71.53,65.95
TX2: D6.4 D8.86 D9.11 | length 99
  Top Layer w0.3: v1(14.1,32.1) 14.1,33.9 14.9,34.7 17.686,34.7 D8.86@19.654,36.668
  Bottom Layer w0.3: v1(14.1,32.1) 14.1,28.8 23.9,19 23.9,17.9 25,16.8 25.94,16.8 D9.11@26,16.74 27.26,16.74 27.6,16.4 27.6,13.907 27.093,13.4 24.172,13.4 23.197,12.425 20.125,12.425 19.5,11.8 19.5,10.4 20.9,9 20.9,7 24.8,3.1 39.3,3.1 40,2.4 42.487,2.4 44.687,4.6 47.7,4.6 51,7.9 51,17.9 46.688,22.212 D6.4@46.005,22.212
TxD: D9.14 X7.2 | length 12.8
  Bottom Layer w0.3: D9.14@26,20.55 26.65,20.55 29.2,18 29.2,13.6 26.565,10.965 X7.2@26.565,10.565
USART1_Rx: D4.1 D8.69 R16.1 | length 47.6
  Top Layer w0.3: v1(11.2,52.7) 11.2,50.793 12.879,49.114 14.993,47 15.757,47 17.801,44.957 17.947,44.81 18.094,44.664 D8.69@18.24,44.517 ; v1(34.1,59.1) 34.2,59 43.995,59 44.177,59.182 44.143,59.268 D4.1@44.11,59.35
  Bottom Layer w0.3: v1(11.2,52.7) 11.2,52.9 16.2,57.9 32.9,57.9 v1(34.1,59.1)
USART1_Tx: D4.4 D8.68 R19.1 | length 52
  Top Layer w0.3: v1(12.5,51.8) 12.4,51.8 12.4,50.3 15.1,47.6 15.864,47.6 17.064,46.4 D8.68@18.594,44.871 ; v1(37.5,61.2) 38.6,62.3 45.4,62.3 46.082,61.618 D4.4@46.082,59.282
  Bottom Layer w0.3: v1(12.5,51.8) 17.4,56.7 35.4,56.7 37.5,58.8 v1(37.5,61.2)
USART3_Rx: D8.56 X10.3 | length 20.7
  Top Layer w0.3: v1@20.7,52.6 v1(21,52.6) 21,50.95 D8.56@22.836,49.114
  Bottom Layer w0.3: X10.3@7.9,50.8 8.5,50.8 9.1,50.2 9.1,49.3 9.7,48.7 10.893,48.7 14.793,52.6 v1(21,52.6)
USART3_Tx: D8.55 X10.2 | length 18.4
  Top Layer w0.3: v1(22.1,51.7) 22.1,50.557 D8.55@23.19,49.467
  Bottom Layer w0.3: X10.2@7.9,48.26 8.06,48.1 11,48.1 14.55,51.65 22.05,51.65 v1(22.1,51.7)
USB_N: C5.2 D4.9 R7.1 R7.2 VD2.3 X1.2 | length 30.9
  Top Layer w0.3: VD2.3@43.9,70.1 45,70.1 45.8,69.3 47.9,69.3 49.1,70.5 X1.2@49.1,72.12 49.1,73.8 49.354,74.054 50.346,74.054 50.646,73.754 50.646,70.371 51.8,69.217 51.8,67.625 52.35,67.075 R7.1@52.35,65.1 ; D4.9@48.622,64.718 48.622,62.855 49.177,62.3 50.1,62.3 51,63.2 52.6,63.2 53,63.6 52.6,64 50.9,64 50.45,64.45 R7.2@50.45,65.025
USB_P: C4.2 D4.8 R6.1 R6.2 VD2.4 X1.3 | length 35
  Top Layer w0.3: VD2.4@41.94,70.025 41.94,70.34 42.3,70.7 45.3,70.7 46.1,69.9 47.6,69.9 48.3,70.6 X1.3@48.3,72.12 48.3,74.5 49.9,76.1 51,76.1 51.5,75.6 51.5,74.4 51.2,74.1 51.2,70.6 C4.2@52.875,68.925 ; D4.8@48.622,59.282 48.622,61.146 49.223,61.746 50.346,61.746 51.2,62.6 53,62.6 53.8,63.4 R6.1@53.8,64.8 ; C4.2@52.9,69.1 52.9,68.9 53.787,68.012 R6.2@53.787,66.75
VBUS: C1.2 D4.12 F2.2 VD4.A | length 13.1
  Top Layer w0.3: D4.12@46.717,64.718 46.717,67.117 v1(46.9,67.3)
  Bottom Layer w0.3: v1(46.9,67.3) C1.2@48.65,67.3 48.3,67.65 48.3,70.15 F2.2@47.65,70.8
  Bottom Layer w0.8: F2.2@47.65,70.8 47.905,71.055 VD4.A@52.3,71.055
VCC: F1.1 X2.1 | length 12.2
  Top Layer w2: F1.1@78.05,50.95 80.3,48.7 X2.1@80.3,39.7
VCCIO: C9.2 D4.3 D4.10 D4.11 R16.2 R19.2 R23.1 R24.1 | length 66.6
  Top Layer w0.25: D4.11@47.352,64.718 47.352,65.752 47.5,65.9 47.9,65.9 47.987,65.813 D4.10@47.987,64.718
  Top Layer w0.3: v1@35.8,64.5 36,64.3 36,63.4 ; v1(36,64.5) 36,64.9 39.4,68.3 39.4,70.325 R23.1@41.025,71.95 ; R16.2@39.425,60.6 39.425,60.825 38.7,60.1 36.6,60.1 36,60.7 36,63.4 ; R16.2@39.6,60.7 39.5,60.6 45.1,60.6 45.447,60.253 D4.3@45.447,59.282 ; D4.11@47.352,64.718 47.352,63.852 46.9,63.4 36,63.4 ; R24.1@55.525,71.85 56.2,71.175 v1(56.2,67.2)
  Bottom Layer w0.3: v1(36,64.5) 43.8,64.5 45.2,65.9 55.3,65.9 56.2,66.8 v1(56.2,67.2)
pads on no net: BQ3.1 D3.5 D4.2 D4.6 D4.15 D4.16 D7.4 D8.5 D8.7 D8.15 D8.17 D8.18 D8.23 D8.36 D8.40 D8.41 D8.42 D8.44 D8.45 D8.46 D8.53 D8.54 D8.67 D8.81 D8.82 D8.92 D8.93 D8.98 D9.7 D9.8 D9.9 D9.10 D10.1 D10.5 D10.6 D10.8 D10.9 D10.10 D10.11 D10.12 D10.25 D10.33 D10.38 D10.41 D10.45 D10.46 VD5.2 VD8.1@69.75,61.925 X1.4 X1.None X5.4 X5.6 X5.8 X7.6 X7.7 X7.8 X12.7 X12.None

## Polygon pours and split planes (outlines as drawn)
GND on Bottom Layer "GND_POLY" (solid, remove dead copper, pour order 164): 0,80 86,80 86,0 0,0
GND on Top Layer "GND_POLY" (solid, remove dead copper, pour order 166): 0,80 86,80 86,0 0,0

## Silkscreen, mask and mechanical layers (free items; w line width, h text height)
Top Overlay:
  lines w0.2: 10.2,47.7 10.2,54.7 16.5,54.7 16.5,44.8 14.5,44.8 14.5,54.7 ; 10.2,52.8 14.5,52.8 ; 11.9,29.7 20,29.7 ; 12.4,48.9 12.4,52.8 ; 13.8,25.85 13.8,33.55 ; 14.5,46.7 10.2,46.7 10.2,48.9 14.5,48.9 ; 14.5,47.8 16.5,47.8 ; 14.6,50.1 16.5,50.1 ; 14.6,52.4 16.5,52.4 ; 15.7,25.85 15.7,33.55 ; 17.8,25.85 17.8,33.55
  lines w0.254: 11.8,25.85 11.8,33.7 20,33.7 20,25.85 11.8,25.85
  text "RX" at 40.1,78.4 h1.2
  text "TX" at 54.5,78.4 h1.2
  text "C" at 84.2,77.5 h1.8
  text "n" at 84.3,75 h1.8
  text "C" at 84.2,72 h1.8
  text "U" at 84.2,69 h1.8
  text "-" at 84,68.2 h1.5 r270
  text "TRM" at 30.2,65.9 h1.2 r270
  text "0" at 84.2,64.6 h1.8
  text "1" at 84.5,61.8 h1.8
  text "UART" at 19,54.5 h1.52 r270
  text "5V" at 15.1,54.3 h0.9 r270
  text "BOOT" at 17,54.2 h1.52 r270
  text "GND" at 11.3,53.4 h1
  text "Rx" at 15.1,52 h0.9 r270
  text "BT0" at 10.8,51.9 h1 r270
  text "BT1" at 13.1,51.9 h1 r270
  text "Tx" at 15.1,49.6 h0.9 r270
  text "GND" at 15.1,47.5 h0.9 r270
  text "3V3" at 11.1,47.3 h1
  text "." at 67.4,45.3 h1.8
  text "." at 69.3,43.4 h1.6
  text "+" at 79.6,42.7 h2.4
  text "JRS" at 14.1,33.3 h1 r270
  text "3V3" at 16.3,33.05 h1 r270
  text "3V3" at 18.5,33.05 h1 r270
  text "JDT" at 12.2,33 h1 r270
  text "JTAG" at 20.8,32.1 h1.52 r270
  text "SW" at 8.9,29.3 h1.52 r270
  text "GND" at 12.3,29.15 h1 r270
  text "SWO" at 14.3,29.15 h1 r270
  text "CLK" at 16.3,29.15 h1 r270
  text "DIO" at 18.4,29.05 h1 r270
  text "+" at 71,27.7 h1.2
  text "+" at 46.4,22 h1.2
  text "A" at 76.8,8.1 h1.2
  text "TRM" at 40.4,3.6 h1.2 r90
  text "+" at 48.072,2.779 h1.2
  text "+" at 53.5,2.6 h1.2
  text "+" at 41.6,1.4 h1.2
  text "+" at 61.1,1.4 h1.2
Bottom Overlay:
  drawing of 584 lines, arcs and shapes, not listed
  text "+" at 82.1,67.8 h2
  text "A" at 84.5,57.7 h1.2
  text "A" at 84.4,50.9 h1.2
  text "+" at 79.6,42.7 h2.4
  text "PD3" at 12.6,41.1 h1
  text "PD4" at 16.2,41.1 h1
  text "PD7" at 12.1,39.1 h1
  text "SCL" at 16.9,39.1 h1
  text "PE0" at 16.5,37.3 h1
  text "SDA" at 12,37.2 h1
  text "Social Systems" at 63.6,35.8 h1.6
  text "MOSI" at 12.3,35.3 h1
  text "GND" at 16.4,35.3 h1
  text "SCK" at 12.1,33.3 h1
  text "MISO" at 16.9,33.3 h1
  text "3V3" at 12,31.3 h1
  text "3V3" at 16.4,31.3 h1
  text "5V" at 11.4,29.4 h1
  text "5V" at 16,29.4 h1
  text "GND" at 12,27.6 h1
  text "GND" at 16.4,27.6 h1
  text "Design by ClownMik" at 34.8,3.4 h1.3
Mechanical 4:
  the board outline again, w0.1
Mechanical 20:
  lines w0.254: 0.05,90.86 0.05,91.368 ; 1.574,90.606 0.05,91.114 ; 1.574,91.622 0.05,91.114 ; 37.946,91.114 0.05,91.114 ; 48.154,91.114 86.05,91.114 ; 84.526,90.606 86.05,91.114 ; 84.526,91.622 86.05,91.114 ; 86.05,90.86 86.05,91.368 ; 92.078,1.574 92.586,0.05 ; 92.078,78.526 92.586,80.05 ; 92.332,0.05 92.84,0.05 ; 92.332,80.05 92.84,80.05 ; 92.586,34.946 92.586,0.05 ; 92.586,45.154 92.586,80.05 ; 93.094,1.574 92.586,0.05 ; 93.094,78.526 92.586,80.05
  text "86 (mm)" at 38.2,90.2 h1.52
  text "80 (mm)" at 93.5,35.2 h1.52 r90

## Text inside footprints (layer, text, board x,y; h text height)
S2: Top Overlay "ON" at 1.9,63.4 h1.2; Top Overlay "1" at 5.2,55.5 h1.2
X2: Mechanical 1 "Front" at 85,34.6 h1.2 r90
X5: Bottom Overlay "1" at 16.4,68.2 h1.5; Bottom Overlay "6" at 16.6,71 h1.5
X7: Bottom Overlay "1" at 31.8,11.7 h1.5 r180; Bottom Overlay "6" at 31.9,8.9 h1.5 r180
X12: Mechanical 1 "9" at 74.723,75.869 h1.88; Mechanical 1 "10" at 72.174,74.595 h1.88; Mechanical 1 "11" at 64.538,75.871 h1.88; Mechanical 1 "12" at 61.997,74.594 h1.88; Mechanical 1 "1" at 72.176,66.323 h1.88; Mechanical 1 "3" at 69.632,66.318 h1.88; Mechanical 1 "5" at 67.085,66.326 h1.88; Mechanical 1 "7" at 64.541,66.326 h1.88; Mechanical 1 "8" at 63.267,63.777 h1.88; Mechanical 1 "6" at 65.812,63.775 h1.88; Mechanical 1 "4" at 68.358,63.774 h1.88; Mechanical 1 "2" at 70.898,63.788 h1.88; Mechanical 1 "LEFT" at 72.176,81.914 h1.88; Mechanical 1 "RIGHT" at 59.776,81.901 h1.88; Mechanical 1 "FRONT" at 65.495,78.728 h1.88